# KiCad board nyx.kicad_pcb (continued)
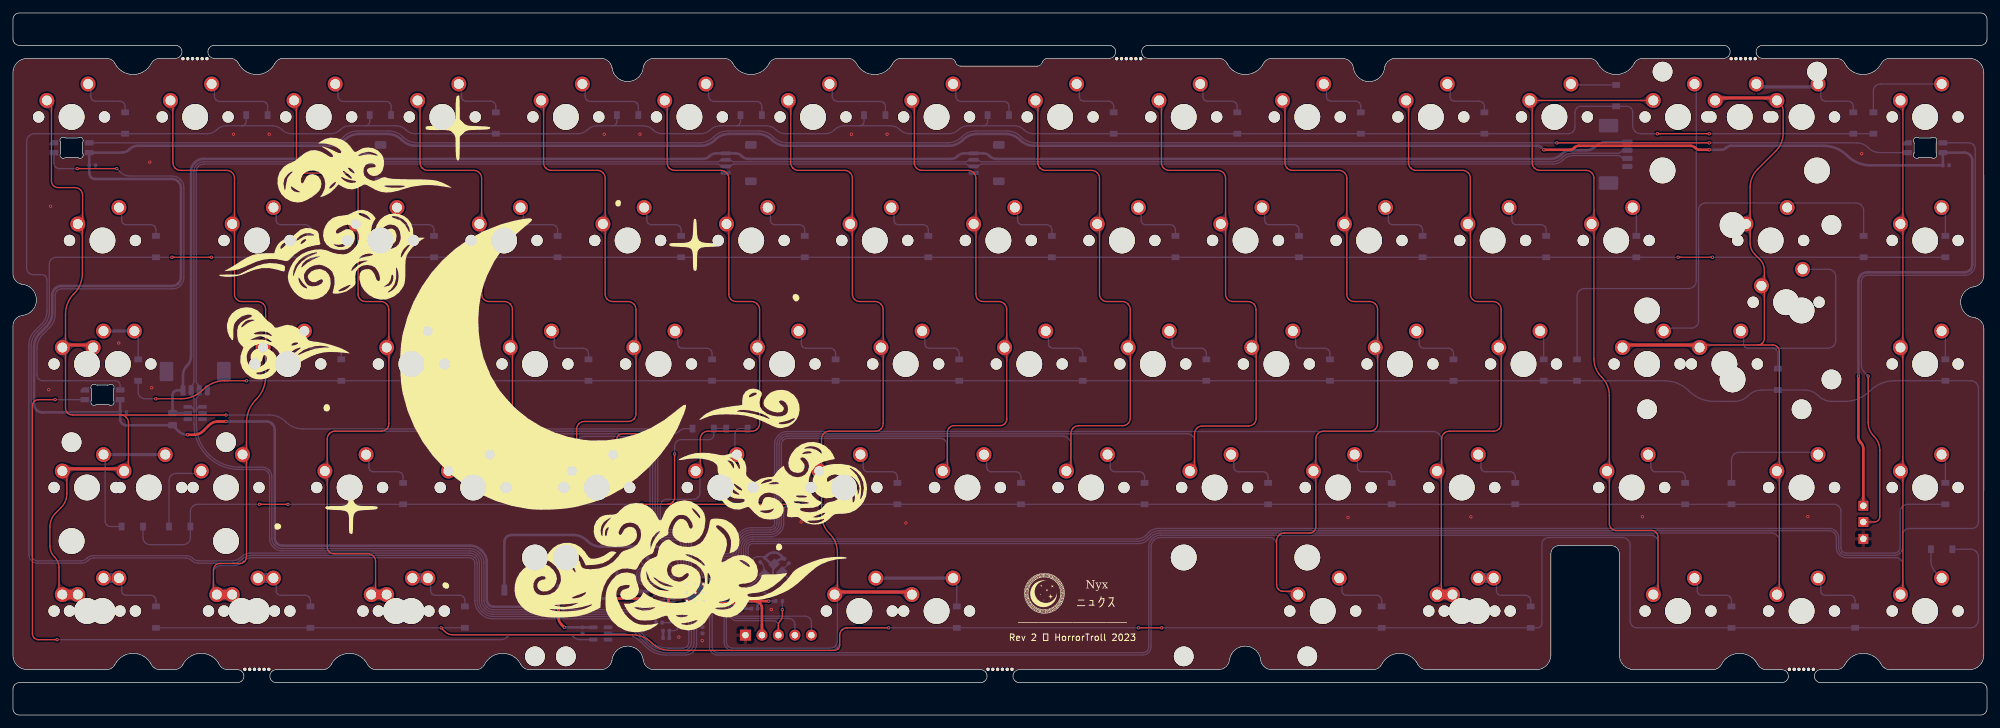
[diagram p0: board, top side]
## Routing (per net, layer and track width the routed paths; a pad name or vN(x,y) marks a point on that pad's centre or on a via; arc(x,y) is an arc through that point) (continued)
Col13: length 292.8
  Top w0.2: MX43.1 260.41,57.07 268.99,57.07 ; 268.99,57.07 271.29,57.07 arc(271.67,57) 271.99,56.78 272.01,56.77 arc(272.22,56.44) 272.3,56.06 272.3,38 MX57.1 272.3,37.25 272.3,18.95 MX66.1 ; 268.99,57.07 arc(269.37,57.15) 269.69,57.37 269.71,57.38 arc(269.92,57.7) 270,58.09 270,65.75 MX71.1 270,66.66 270,68.54 arc(269.81,69.49) 269.27,70.3 268.53,71.04 arc(267.99,71.85) 267.8,72.81 267.8,75.09 MX29.1 267.8,76.37 267.8,81.36 arc(268.1,82.89) 268.97,84.19 271.73,86.95 arc(272.6,88.24) 272.9,89.77 272.9,93.18 arc(272.79,93.76) 272.46,94.24 MX68.1
  Top w0.5: MX68.1 271.53,95.17 262.79,95.17 MX14.1 ; MX69.1 248.51,57.07 259.62,57.07 MX43.1
  Bottom w0.2: MX66.1 272.3,18.95 272.3,26.9 arc(272.21,27.34) 271.96,27.71 271.94,27.74 arc(271.56,27.99) 271.12,28.07 176.82,28.07 arc(176.06,27.92) 175.41,27.49 174.95,27.03 arc(174.3,26.6) 173.54,26.44 114.05,26.44 arc(113.78,26.39) 113.55,26.24 113.53,26.22 arc(113.38,25.99) 113.33,25.73 113.33,23.98 arc(113.21,23.37) 112.86,22.85 112.75,22.74 arc(112.23,22.4) 111.62,22.27 110.96,22.27 arc(110.76,22.24) 110.6,22.13 110.58,22.11 arc(110.47,21.94) 110.43,21.75 110.43,21.32 arc(110.36,20.94) 110.14,20.61 110.11,20.58 arc(109.78,20.36) 109.4,20.28 U3.18
Col14: length 273.4
  Top w0.2: MX15.1 291.35,94.4 291.35,76.1 MX30.1 291.35,75.35 291.35,57.05 MX44.1 291.35,56.3 291.35,38 MX58.1 291.35,37.25 291.35,18.95 MX67.1
  Bottom w0.2: MX67.1 291.35,18.95 291.35,23.17 arc(291.27,23.59) 291.03,23.94 291.02,23.95 arc(290.67,24.19) 290.24,24.27 282.61,24.27 arc(282.06,24.38) 281.59,24.7 281.52,24.76 arc(281.21,25.23) 281.1,25.78 281.1,27.32 arc(281.02,27.74) 280.78,28.09 280.77,28.1 arc(280.41,28.34) 279.99,28.42 176.67,28.42 arc(175.91,28.27) 175.26,27.84 174.8,27.38 arc(174.15,26.95) 173.39,26.79 114.02,26.79 arc(113.64,26.72) 113.32,26.5 113.27,26.45 arc(113.05,26.13) 112.98,25.75 112.98,24 arc(112.88,23.5) 112.6,23.08 112.52,23 arc(112.1,22.72) 111.6,22.62 110.93,22.62 arc(110.63,22.56) 110.37,22.39 110.32,22.34 arc(110.15,22.08) 110.08,21.77 110.08,21.47 arc(110.03,21.18) 109.86,20.94 109.83,20.9 arc(109.59,20.74) 109.3,20.68 U3.17
D+: length 5.6
  Bottom w0.2: R4.1 96.84,16.55 97.01,16.39 arc(97.17,16.28) 97.36,16.25 97.56,16.25 arc(97.94,16.32) 98.27,16.54 98.72,16.99 arc(99.71,17.65) 100.88,17.88 U3.47
D-: length 5.6
  Bottom w0.2: U3.46 100.85,17.48 arc(99.79,17.28) 98.9,16.68 98.5,16.28 arc(98.08,16) 97.58,15.9 97.33,15.9 arc(97.14,15.86) 96.98,15.75 96.84,15.62 R5.1
FLASH_nCS: length 5.6
  Bottom w0.18: U1.1 99.15,23.76 arc(99.18,23.91) 99.27,24.04 99.27,24.05 arc(99.4,24.13) 99.56,24.16 R2.2 100.3,23.68 arc(100.34,23.49) 100.45,23.33 100.45,23.32 arc(100.62,23.21) 100.81,23.17 101.17,23.17 arc(101.38,23.13) 101.56,23.01 101.59,22.99 arc(101.71,22.81) 101.75,22.6 U3.56
FLASH_SCK: length 8.1
  Bottom w0.18: U1.6 97.26,22.37 arc(96.97,22.32) 96.73,22.15 96.7,22.12 arc(96.53,21.87) 96.48,21.59 96.48,21.22 arc(96.53,20.94) 96.7,20.69 96.75,20.64 arc(96.99,20.48) 97.28,20.42 99.19,20.42 arc(99.48,20.37) 99.72,20.2 99.82,20.1 arc(100.06,19.94) 100.35,19.88 U3.52
FLASH_SD0: length 6.9
  Bottom w0.18: U3.53 100.5,20.28 arc(100.21,20.34) 99.97,20.5 99.94,20.53 arc(99.7,20.7) 99.41,20.75 97.29,20.75 arc(97.12,20.79) 96.97,20.88 96.95,20.91 arc(96.85,21.05) 96.82,21.23 96.82,21.5 arc(96.85,21.67) 96.95,21.82 96.97,21.84 arc(97.11,21.94) 97.29,21.97 U1.5
FLASH_SD1: length 3.7
  Bottom w0.18: U3.55 101.03,21.08 arc(100.86,21.12) 100.72,21.22 100.71,21.22 arc(100.61,21.37) 100.58,21.54 100.58,21.96 arc(100.52,22.27) 100.35,22.53 100.33,22.54 arc(100.07,22.71) 99.77,22.77 U1.2
FLASH_SD2: length 3.7
  Bottom w0.18: U1.3 99.67,22.37 arc(99.88,22.33) 100.06,22.21 100.09,22.18 arc(100.21,22) 100.25,21.79 100.25,21.41 arc(100.3,21.14) 100.46,20.92 100.48,20.89 arc(100.71,20.74) 100.98,20.68 U3.54
FLASH_SD3: length 9.2
  Bottom w0.18: U3.51 100.2,19.48 arc(99.91,19.54) 99.67,19.7 99.5,19.87 arc(99.26,20.04) 98.97,20.09 97.26,20.09 arc(96.86,20.17) 96.52,20.4 96.45,20.47 arc(96.23,20.81) 96.15,21.21 96.15,21.68 arc(96.23,22.09) 96.45,22.43 96.49,22.46 arc(96.83,22.69) 97.23,22.77 U1.7
Row0: length 493.3
  Top w0.2: v1(261.5,89.65) v1(253.5,89.65)
  Bottom w0.2: 35.28,90.87 40.03,90.87 arc(40.81,90.72) 41.48,90.27 41.5,90.25 arc(42.17,89.81) 42.95,89.65 49,89.65 arc(49.78,89.81) 50.45,90.25 50.47,90.27 arc(51.14,90.72) 51.92,90.87 54.33,90.87 ; 35.28,90.87 32.87,90.87 arc(32.09,90.72) 31.42,90.27 31.4,90.25 arc(30.73,89.81) 29.95,89.65 D1.1 3.32,89.65 arc(2.87,89.56) 2.48,89.3 2.45,89.27 arc(2.19,88.88) 2.1,88.43 2.1,68.94 arc(2.18,68.55) 2.39,68.23 2.41,68.22 arc(2.73,68) 3.11,67.92 4.42,67.92 arc(4.72,67.86) 4.98,67.69 5.02,67.66 arc(5.19,67.4) 5.25,67.09 5.25,62.37 arc(5.02,61.22) 4.37,60.24 3.33,59.2 arc(2.68,58.23) 2.45,57.08 2.45,24.77 arc(2.55,24.27) 2.83,23.85 2.87,23.8 arc(3.3,23.52) 3.79,23.42 10.59,23.42 arc(11.1,23.53) 11.54,23.82 11.55,23.83 arc(11.99,24.12) 12.5,24.22 26.6,24.22 arc(27.11,24.12) 27.55,23.83 27.56,23.82 arc(28,23.53) 28.51,23.42 33.92,23.42 arc(34.68,23.58) 35.33,24.01 35.36,24.04 arc(36.01,24.47) 36.77,24.62 70.37,24.62 arc(70.81,24.54) 71.18,24.29 71.21,24.26 arc(71.46,23.89) 71.55,23.45 71.55,17.64 arc(71.72,16.77) 72.21,16.04 72.39,15.86 arc(73.12,15.37) 73.99,15.2 92.03,15.2 arc(93.73,14.86) 95.17,13.89 97.8,11.27 arc(99.25,10.3) 100.95,9.96 103.35,9.96 arc(103.81,10.05) 104.2,10.31 104.23,10.35 arc(104.49,10.73) 104.58,11.19 U3.37 ; 35.28,90.87 arc(35.53,90.92) 35.74,91.06 35.76,91.08 arc(35.9,91.29) 35.95,91.54 D2.1 ; v1(253.5,89.65) 250.92,89.65 arc(250.46,89.74) 250.07,90 250.05,90.02 arc(249.79,90.41) 249.7,90.87 249.7,92.95 arc(249.63,93.29) 249.44,93.59 249.41,93.61 arc(249.12,93.8) 248.78,93.87 D13.1 241.72,93.87 arc(241.38,93.8) 241.09,93.61 241.06,93.59 arc(240.87,93.29) 240.8,92.95 240.8,90.71 arc(240.72,90.31) 240.49,89.96 240.49,89.96 arc(240.14,89.73) 239.74,89.65 D12.1 D11.1 D10.1 D9.1 157.3,89.65 arc(156.52,89.81) 155.85,90.25 155.83,90.27 arc(155.16,90.72) 154.38,90.87 149.58,90.87 ; 130.53,90.87 135.28,90.87 arc(136.06,90.72) 136.73,90.27 136.75,90.25 arc(137.42,89.81) 138.2,89.65 144.3,89.65 arc(145.08,89.81) 145.75,90.25 145.77,90.27 arc(146.44,90.72) 147.22,90.87 149.58,90.87 ; 130.53,90.87 128.12,90.87 arc(127.34,90.72) 126.67,90.27 126.65,90.25 arc(125.98,89.81) 125.2,89.65 119.08,89.65 arc(118.29,89.81) 117.63,90.25 117.6,90.27 arc(116.94,90.72) 116.15,90.87 111.48,90.87 ; 130.53,90.87 arc(130.78,90.92) 130.99,91.06 131.01,91.08 arc(131.15,91.29) 131.2,91.54 D7.1 ; 149.58,90.87 arc(149.83,90.92) 150.04,91.06 150.06,91.08 arc(150.2,91.29) 150.25,91.54 D8.1 ; 111.48,90.87 109,90.87 arc(108.21,90.72) 107.55,90.27 107.52,90.25 arc(106.86,89.81) 106.08,89.65 100.1,89.65 arc(99.32,89.81) 98.65,90.25 98.63,90.27 arc(97.96,90.72) 97.18,90.87 92.43,90.87 ; 111.48,90.87 arc(111.73,90.92) 111.94,91.06 111.96,91.08 arc(112.1,91.29) 112.15,91.54 D6.1 ; D5.1 93.1,91.54 arc(93.05,91.29) 92.91,91.08 92.89,91.06 arc(92.68,90.92) 92.43,90.87 ; v1(261.5,89.65) D14.1 D15.1 ; 54.33,90.87 59.08,90.87 arc(59.86,90.72) 60.53,90.27 60.55,90.25 arc(61.22,89.81) 62,89.65 D4.1 87.1,89.65 arc(87.88,89.81) 88.55,90.25 88.57,90.27 arc(89.24,90.72) 90.02,90.87 92.43,90.87 ; 54.33,90.87 arc(54.58,90.92) 54.79,91.06 54.81,91.08 arc(54.95,91.29) 55,91.54 D3.1
Row1: length 455.6
  Top w0.2: v1(30.6,70.6) v1(24.5,70.6) ; v1(262,70.6) v1(256.7,70.6)
  Bottom w0.2: v1(30.6,70.6) D17.1 D18.1 D19.1 D20.1 D21.1 D22.1 D23.1 D24.1 D25.1 D26.1 D27.1 D28.1 v1(256.7,70.6) ; D30.1 D29.1 v1(262,70.6) ; U3.38 104.18,11.22 arc(104.12,10.88) 103.92,10.58 103.91,10.58 arc(103.62,10.38) 103.28,10.31 101.1,10.31 arc(99.4,10.65) 97.95,11.62 95.32,14.24 arc(93.88,15.21) 92.18,15.55 74.01,15.55 arc(73.26,15.7) 72.63,16.12 72.47,16.28 arc(72.05,16.91) 71.9,17.66 71.9,23.47 arc(71.79,24.03) 71.47,24.5 71.42,24.55 arc(70.95,24.86) 70.4,24.97 36.63,24.97 arc(35.86,24.82) 35.21,24.39 35.19,24.36 arc(34.54,23.92) 33.77,23.77 28.66,23.77 arc(28.14,23.88) 27.7,24.17 27.7,24.18 arc(27.26,24.47) 26.74,24.57 12.36,24.57 arc(11.84,24.47) 11.4,24.18 11.4,24.17 arc(10.96,23.88) 10.44,23.77 3.81,23.77 arc(3.43,23.85) 3.11,24.07 3.09,24.08 arc(2.88,24.4) 2.8,24.79 2.8,56.94 arc(3.03,58.08) 3.68,59.06 4.72,60.1 arc(5.37,61.07) 5.6,62.22 5.6,69.54 arc(5.68,69.94) 5.91,70.28 5.92,70.29 arc(6.26,70.52) 6.66,70.6 D16.1 v1(24.5,70.6)
Row2: length 516.6
  Top w0.2: v1(22,48.77) 25.95,48.77 arc(27.75,49.13) 29.28,50.15 29.3,50.17 arc(30.83,51.19) 32.62,51.55 v1(36,51.55)
  Bottom w0.2: U3.16 109.3,21.08 arc(109.46,21.12) 109.59,21.2 109.62,21.23 arc(109.7,21.36) 109.73,21.52 109.73,21.79 arc(109.82,22.21) 110.06,22.57 110.14,22.65 arc(110.49,22.89) 110.91,22.97 111.58,22.97 arc(111.96,23.05) 112.29,23.27 112.34,23.31 arc(112.55,23.64) 112.63,24.02 112.63,25.77 arc(112.73,26.27) 113.01,26.69 113.08,26.76 arc(113.51,27.04) 114,27.14 173.24,27.14 arc(174.01,27.3) 174.66,27.73 175.11,28.19 arc(175.76,28.62) 176.53,28.77 280.01,28.77 arc(280.55,28.67) 281,28.36 281.04,28.33 arc(281.34,27.87) 281.45,27.34 281.45,25.8 arc(281.54,25.36) 281.79,24.99 281.82,24.96 arc(282.19,24.71) 282.63,24.62 290.05,24.62 arc(290.51,24.71) 290.9,24.97 290.95,25.03 arc(291.21,25.42) 291.3,25.88 291.3,27.76 arc(291.38,28.14) 291.59,28.47 291.61,28.48 arc(291.93,28.7) 292.31,28.77 301.99,28.77 arc(302.37,28.85) 302.69,29.07 302.71,29.08 arc(302.92,29.4) 303,29.79 303,50.42 arc(302.92,50.84) 302.68,51.19 302.64,51.23 arc(302.29,51.47) 301.87,51.55 D44.1 290.06,51.55 arc(287.99,51.14) 286.24,49.97 286.23,49.95 arc(284.47,48.78) 282.41,48.37 280.39,48.37 arc(279.26,48.6) 278.31,49.24 278.29,49.26 arc(277.33,49.9) 276.2,50.12 D43.1 269.59,50.12 arc(268.46,49.9) 267.51,49.26 267.49,49.24 arc(266.53,48.6) 265.4,48.37 262.24,48.37 arc(260.17,48.78) 258.42,49.95 258.4,49.97 arc(256.65,51.14) 254.59,51.55 D68.1 D42.1 D41.1 D40.1 D39.1 D38.1 D37.1 D36.1 D35.1 D34.1 D33.1 D32.1 v1(36,51.55) ; D31.1 19.3,49.79 arc(19.38,49.4) 19.59,49.08 19.61,49.07 arc(19.93,48.85) 20.31,48.77 v1(22,48.77)
Row3: length 339
  Top w0.2: v1(38,32.5) v1(42.4,32.5) ; v1(102,40.27) 102,33.56 arc(101.92,33.16) 101.69,32.81 101.69,32.81 arc(101.34,32.58) 100.94,32.5 ; v1(96.98,32.5) 100.94,32.5 ; 100.94,32.5 v1(121.1,32.5)
  Bottom w0.2: U3.15 108.62,22.6 arc(108.68,22.87) 108.83,23.1 108.85,23.12 arc(109.07,23.27) 109.34,23.32 111.56,23.32 arc(111.83,23.38) 112.06,23.53 112.07,23.55 arc(112.23,23.77) 112.28,24.04 112.28,25.79 arc(112.4,26.4) 112.75,26.92 112.85,27.02 arc(113.37,27.37) 113.98,27.49 116.81,27.49 arc(117.52,27.63) 118.12,28.04 118.27,28.19 arc(118.67,28.79) 118.81,29.49 118.81,31.47 arc(118.89,31.85) 119.11,32.18 119.13,32.21 arc(119.46,32.42) 119.84,32.5 v1(121.1,32.5) D50.1 D51.1 D52.1 D53.1 D54.1 D55.1 D56.1 D57.1 280.74,32.5 arc(281.14,32.42) 281.48,32.19 281.49,32.18 arc(281.72,31.84) 281.8,31.44 281.8,25.83 arc(281.86,25.5) 282.05,25.22 282.05,25.22 arc(282.33,25.04) 282.65,24.97 290.03,24.97 arc(290.37,25.04) 290.66,25.23 290.69,25.26 arc(290.88,25.55) 290.95,25.9 290.95,31.35 arc(291.04,31.79) 291.29,32.16 291.29,32.16 arc(291.66,32.41) 292.1,32.5 D58.1 ; v1(38,32.5) 28.5,32.5 arc(28.06,32.41) 27.69,32.16 27.69,32.16 arc(27.44,31.79) 27.35,31.35 D69.1 27.35,27.38 arc(27.27,26.96) 27.03,26.6 27.02,26.59 arc(26.67,26.36) 26.24,26.27 21.16,26.27 arc(20.73,26.36) 20.38,26.59 20.37,26.6 arc(20.13,26.96) 20.05,27.38 D45.1 ; D49.1 D48.1 108.05,43.23 arc(107.99,42.95) 107.83,42.7 107.82,42.69 arc(107.58,42.53) 107.29,42.47 103.01,42.47 arc(102.63,42.4) 102.31,42.18 102.29,42.17 arc(102.08,41.84) 102,41.46 v1(102,40.27) ; v1(96.98,32.5) D47.1 D46.1 v1(42.4,32.5)
Row4: length 363.8
  Top w0.2: v1(173.5,13.45) v1(177.1,13.45) ; v1(135,13.45) 128.6,13.45 arc(128.16,13.36) 127.79,13.11 127.79,13.11 arc(127.54,12.74) 127.45,12.3 127.45,10.82 arc(127.39,10.49) 127.2,10.22 127.2,10.22 arc(126.92,10.03) 126.6,9.97 101.3,9.97 arc(99.73,10.28) 98.4,11.17 98.4,11.17 arc(97.07,12.06) 95.5,12.37 67.8,12.37 arc(67.13,12.51) 66.57,12.88 v1(66,13.45)
  Bottom w0.2: D61.1 v1(66,13.45) D60.1 D59.1 ; 298.98,25.57 301.82,25.57 arc(302.26,25.48) 302.64,25.24 302.66,25.21 arc(302.91,24.84) 303,24.4 303,14.67 arc(302.91,14.22) 302.65,13.83 302.62,13.8 arc(302.23,13.54) 301.78,13.45 D66.1 D65.1 250.36,13.45 arc(249.96,13.53) 249.61,13.76 249.61,13.76 arc(249.38,14.11) 249.3,14.51 249.3,26.2 arc(249.21,26.64) 248.96,27.01 248.94,27.04 arc(248.56,27.28) 248.12,27.37 236.71,27.37 arc(236.33,27.3) 236.01,27.08 235.99,27.07 arc(235.78,26.74) 235.7,26.36 235.7,14.16 arc(235.65,13.89) 235.49,13.67 235.48,13.66 arc(235.26,13.5) 234.99,13.45 D64.1 D63.1 v1(177.1,13.45) ; U3.28 109.09,16.28 arc(109.28,16.25) 109.45,16.13 arc(109.59,15.93) 109.63,15.69 109.63,11.25 arc(109.73,10.77) 110,10.36 110.04,10.32 arc(110.44,10.05) 110.92,9.96 126,9.96 arc(126.53,10.06) 126.99,10.37 127.04,10.42 arc(127.34,10.87) 127.45,11.41 127.45,12.39 arc(127.53,12.79) 127.76,13.13 127.77,13.14 arc(128.11,13.37) 128.51,13.45 v1(135,13.45) D62.1 v1(173.5,13.45)
SWCLK: length 18.9
  Bottom w0.2: J2.5 123.08,14.3 arc(123.01,14.66) 122.8,14.97 122.8,14.97 arc(122.49,15.18) 122.13,15.25 111.7,15.25 arc(111.46,15.3) 111.24,15.44 111.23,15.46 arc(111.08,15.67) 111.03,15.92 111.03,16.82 arc(110.95,17.22) 110.73,17.56 110.71,17.58 arc(110.37,17.81) 109.96,17.88 U3.24
SWDIO: length 15.9
  Bottom w0.2: U3.25 109.91,17.48 arc(110.23,17.42) 110.5,17.24 arc(110.64,17.03) 110.69,16.79 110.69,15.9 arc(110.76,15.54) 110.96,15.23 111.01,15.18 arc(111.32,14.97) 111.68,14.9 119.58,14.9 arc(119.95,14.83) 120.26,14.62 120.26,14.62 arc(120.47,14.31) 120.54,13.95 J2.4
UG_LED: length 82.5
  Top w0.2: J7.2 286.95,29.77 arc(287.27,29.84) 287.55,30.02 287.55,30.02 arc(287.74,30.3) 287.8,30.62 287.8,40.81 arc(287.57,41.98) 286.91,42.97 286.89,42.98 arc(286.23,43.97) 286,45.14 v1(286,52.27)
  Bottom w0.2: LED3.2 301.54,88.24 arc(301.9,88.17) 302.21,87.96 302.22,87.95 arc(302.43,87.64) 302.5,87.28 302.5,69.39 arc(302.39,68.83) 302.08,68.36 301.96,68.25 arc(301.49,67.93) 300.94,67.82 285.87,67.82 arc(285.53,67.75) 285.24,67.56 285.21,67.54 arc(285.02,67.24) 284.95,66.9 284.95,53.94 arc(285.06,53.37) 285.39,52.88 v1(286,52.27)
XTAL1: length 9.8
  Bottom w0.2: Y1.3 115.77,22.61 arc(115.7,22.99) 115.48,23.32 C1.1 ; 115.55,21.7 114.52,20.66 arc(113.22,19.79) 111.69,19.48 U3.20
XTAL2: length 11
  Bottom w0.2: U3.21 115.4,19.08 arc(115.67,19.03) 115.89,18.88 115.89,18.88 arc(116.12,18.73) 116.39,18.67 117.18,18.67 arc(117.56,18.75) 117.89,18.97 R1.1
~{NRST}: length 18.4
  Top w0.2: J2.3 118,13.83 arc(118.08,14.22) 118.29,14.54 118.32,14.57 arc(118.53,14.89) 118.61,15.27 v1(118.61,16.27)
  Bottom w0.2: U3.26 109.68,17.08 arc(109.93,17.03) 110.15,16.89 arc(110.29,16.68) 110.34,16.44 110.34,15.85 arc(110.43,15.38) 110.7,14.97 110.76,14.92 arc(111.16,14.65) 111.64,14.55 117.2,14.55 arc(117.5,14.49) 117.76,14.32 117.77,14.31 arc(117.94,14.05) 118,13.75 J2.3 ; R3.2 v1(118.61,16.27)
Net-(C13-Pad1): length 3.5
  Bottom w0.2: C13.1 118.53,22.32 Y1.1 119.73,20.85 R1.2
Net-(D1-A): length 9.2
  Bottom w0.2: D1.2 17.28,93.86 arc(17.22,94.16) 17.05,94.42 17.03,94.44 arc(16.77,94.61) 16.47,94.67 12.67,94.67 arc(12.42,94.72) 12.21,94.86 12.19,94.88 arc(12.05,95.09) 12,95.34 12,96.89 MX1.2
Net-(D2-A): length 12.5
  Bottom w0.2: D2.2 39.25,93.86 arc(39.19,94.14) 39.03,94.39 39.02,94.4 arc(38.77,94.56) 38.49,94.62 31.9,94.62 arc(31.58,94.68) 31.3,94.87 31.3,94.87 arc(31.11,95.15) 31.05,95.47 31.05,96.89 MX2.2
Net-(D3-A): length 12.5
  Bottom w0.2: D3.2 58.3,93.86 arc(58.24,94.14) 58.08,94.39 58.07,94.4 arc(57.82,94.56) 57.54,94.62 50.95,94.62 arc(50.63,94.68) 50.35,94.87 50.35,94.87 arc(50.16,95.15) 50.1,95.47 50.1,96.89 MX3.2
Net-(D4-A): length 9.2
  Bottom w0.2: MX4.2 69.15,96.89 69.15,95.34 arc(69.2,95.09) 69.34,94.88 69.36,94.86 arc(69.57,94.72) 69.82,94.67 73.62,94.67 arc(73.92,94.61) 74.18,94.44 74.2,94.42 arc(74.37,94.16) 74.43,93.86 D4.2
Net-(D5-A): length 12.5
  Bottom w0.2: D5.2 96.4,93.86 arc(96.34,94.14) 96.18,94.39 96.17,94.4 arc(95.92,94.56) 95.64,94.62 89.05,94.62 arc(88.73,94.68) 88.45,94.87 88.45,94.87 arc(88.26,95.15) 88.2,95.47 88.2,96.89 MX5.2
Net-(D6-A): length 12.5
  Bottom w0.2: MX6.2 107.25,96.89 107.25,95.47 arc(107.31,95.15) 107.5,94.87 107.5,94.87 arc(107.78,94.68) 108.1,94.62 114.69,94.62 arc(114.97,94.56) 115.22,94.4 115.23,94.39 arc(115.39,94.14) 115.45,93.86 D6.2
Net-(D7-A): length 12.5
  Bottom w0.2: MX7.2 126.3,96.89 126.3,95.47 arc(126.36,95.15) 126.55,94.87 126.55,94.87 arc(126.83,94.68) 127.15,94.62 133.74,94.62 arc(134.02,94.56) 134.27,94.4 134.28,94.39 arc(134.44,94.14) 134.5,93.86 D7.2
Net-(D8-A): length 12.5
  Bottom w0.2: MX8.2 145.35,96.89 145.35,95.47 arc(145.41,95.15) 145.6,94.87 145.6,94.87 arc(145.88,94.68) 146.2,94.62 152.79,94.62 arc(153.07,94.56) 153.32,94.4 153.33,94.39 arc(153.49,94.14) 153.55,93.86 D8.2
Net-(D9-A): length 9.2
  Bottom w0.2: D9.2 169.68,93.86 arc(169.62,94.16) 169.45,94.42 169.43,94.44 arc(169.17,94.61) 168.87,94.67 165.07,94.67 arc(164.82,94.72) 164.61,94.86 164.59,94.88 arc(164.45,95.09) 164.4,95.34 164.4,96.89 MX9.2
Net-(D10-A): length 9.2
  Bottom w0.2: MX10.2 183.45,96.89 183.45,95.34 arc(183.5,95.09) 183.64,94.88 183.66,94.86 arc(183.87,94.72) 184.12,94.67 187.92,94.67 arc(188.22,94.61) 188.48,94.44 188.5,94.42 arc(188.67,94.16) 188.73,93.86 D10.2
Net-(D11-A): length 9.2
  Bottom w0.2: D11.2 207.78,93.86 arc(207.72,94.16) 207.55,94.42 207.53,94.44 arc(207.27,94.61) 206.97,94.67 203.17,94.67 arc(202.92,94.72) 202.71,94.86 202.69,94.88 arc(202.55,95.09) 202.5,95.34 202.5,96.89 MX11.2
Net-(D12-A): length 9.2
  Bottom w0.2: MX12.2 221.55,96.89 221.55,95.34 arc(221.6,95.09) 221.74,94.88 221.76,94.86 arc(221.97,94.72) 222.22,94.67 226.02,94.67 arc(226.32,94.61) 226.58,94.44 226.6,94.42 arc(226.77,94.16) 226.83,93.86 D12.2
Net-(D13-A): length 7
  Bottom w0.2: D13.2 240.32,97.17 MX13.2
Net-(D14-A): length 18.8
  Bottom w0.2: MX68.2 278.7,96.89 278.7,95.34 arc(278.75,95.09) 278.89,94.88 278.91,94.86 arc(279.12,94.72) 279.37,94.67 282.89,94.67 arc(283.19,94.61) 283.45,94.44 283.47,94.42 arc(283.64,94.16) 283.7,93.86 D14.2
  Bottom w0.5: MX68.2 277.83,96.87 269.2,96.87 MX14.2
Net-(D15-A): length 14.4
  Bottom w0.2: D15.2 286.8,96.22 arc(286.88,96.64) 287.12,96.99 arc(287.48,97.23) 287.9,97.32 MX15.2
Net-(D16-A): length 9.2
  Bottom w0.2: MX16.2 16.76,77.84 16.76,76.29 arc(16.81,76.04) 16.95,75.83 16.97,75.81 arc(17.18,75.67) 17.43,75.62 21.23,75.62 arc(21.54,75.56) 21.8,75.39 21.81,75.37 arc(21.98,75.11) 22.04,74.81 D16.2
Net-(D17-A): length 9.2
  Bottom w0.2: D17.2 45.86,74.81 arc(45.8,75.11) 45.62,75.37 45.61,75.39 arc(45.35,75.56) 45.04,75.62 41.24,75.62 arc(41,75.67) 40.78,75.81 40.77,75.83 arc(40.62,76.04) 40.58,76.29 40.58,77.84 MX17.2
Net-(D18-A): length 9.2
  Bottom w0.2: D18.2 64.91,74.81 arc(64.85,75.11) 64.67,75.37 64.66,75.39 arc(64.4,75.56) 64.09,75.62 60.29,75.62 arc(60.05,75.67) 59.83,75.81 59.82,75.83 arc(59.67,76.04) 59.63,76.29 59.63,77.84 MX18.2
Net-(D19-A): length 9.2
  Bottom w0.2: MX19.2 78.68,77.84 78.68,76.29 arc(78.72,76.04) 78.87,75.83 78.88,75.81 arc(79.1,75.67) 79.34,75.62 83.14,75.62 arc(83.45,75.56) 83.71,75.39 83.72,75.37 arc(83.9,75.11) 83.96,74.81 D19.2
Net-(D20-A): length 9.2
  Bottom w0.2: MX20.2 97.73,77.84 97.73,76.29 arc(97.77,76.04) 97.92,75.83 97.93,75.81 arc(98.15,75.67) 98.39,75.62 102.19,75.62 arc(102.5,75.56) 102.76,75.39 102.77,75.37 arc(102.95,75.11) 103.01,74.81 D20.2
Net-(D21-A): length 9.2
  Bottom w0.2: D21.2 122.06,74.81 arc(122,75.11) 121.82,75.37 121.81,75.39 arc(121.55,75.56) 121.24,75.62 117.44,75.62 arc(117.2,75.67) 116.98,75.81 116.97,75.83 arc(116.82,76.04) 116.78,76.29 116.78,77.84 MX21.2
Net-(D22-A): length 9.2
  Bottom w0.2: MX22.2 135.83,77.84 135.83,76.29 arc(135.87,76.04) 136.02,75.83 136.03,75.81 arc(136.25,75.67) 136.49,75.62 140.29,75.62 arc(140.6,75.56) 140.86,75.39 140.87,75.37 arc(141.05,75.11) 141.11,74.81 D22.2
Net-(D23-A): length 9.2
  Bottom w0.2: MX23.2 154.88,77.84 154.88,76.29 arc(154.92,76.04) 155.07,75.83 155.08,75.81 arc(155.3,75.67) 155.54,75.62 159.34,75.62 arc(159.65,75.56) 159.91,75.39 159.92,75.37 arc(160.1,75.11) 160.16,74.81 D23.2
Net-(D24-A): length 9.2
  Bottom w0.2: MX24.2 173.93,77.84 173.93,76.29 arc(173.97,76.04) 174.12,75.83 174.13,75.81 arc(174.35,75.67) 174.59,75.62 178.39,75.62 arc(178.7,75.56) 178.96,75.39 178.97,75.37 arc(179.15,75.11) 179.21,74.81 D24.2
Net-(D25-A): length 9.2
  Bottom w0.2: MX25.2 192.98,77.84 192.98,76.29 arc(193.02,76.04) 193.17,75.83 193.18,75.81 arc(193.4,75.67) 193.64,75.62 197.44,75.62 arc(197.75,75.56) 198.01,75.39 198.02,75.37 arc(198.2,75.11) 198.26,74.81 D25.2
Net-(D26-A): length 9.2
  Bottom w0.2: MX26.2 212.03,77.84 212.03,76.29 arc(212.07,76.04) 212.22,75.83 212.23,75.81 arc(212.45,75.67) 212.69,75.62 216.49,75.62 arc(216.8,75.56) 217.06,75.39 217.07,75.37 arc(217.25,75.11) 217.31,74.81 D26.2
Net-(D27-A): length 9.2
  Bottom w0.2: MX27.2 231.08,77.84 231.08,76.29 arc(231.12,76.04) 231.27,75.83 231.28,75.81 arc(231.5,75.67) 231.74,75.62 235.54,75.62 arc(235.85,75.56) 236.11,75.39 236.12,75.37 arc(236.3,75.11) 236.36,74.81 D27.2
Net-(D28-A): length 4.6
  Bottom w0.2: D28.2 250.26,77.71 MX28.2
Net-(D29-A): length 54.5
  Bottom w0.2: MX69.2 254.92,59.67 258.74,59.67 arc(259.16,59.76) 259.52,59.99 259.53,60 arc(259.77,60.36) 259.85,60.78 259.85,77.87 arc(259.93,78.29) 260.17,78.64 260.18,78.65 arc(260.53,78.89) 260.96,78.97 272.81,78.97 MX29.2 274.22,78.97 284.12,78.97 arc(284.56,78.88) 284.94,78.64 284.96,78.61 arc(285.21,78.24) 285.3,77.8 D29.2
Net-(D30-A): length 4.6
  Bottom w0.2: D30.2 297.9,77.69 MX30.2
Net-(D31-A): length 9.4
  Bottom w0.2: D31.2 19.3,58.64 MX31.2
  Bottom w0.5: MX31.2 MX78.2
Net-(D32-A): length 9.2
  Bottom w0.2: MX32.2 45.34,58.79 45.34,57.24 arc(45.39,56.99) 45.53,56.78 45.55,56.76 arc(45.76,56.62) 46.01,56.57 49.81,56.57 arc(50.11,56.51) 50.37,56.34 50.39,56.32 arc(50.56,56.06) 50.62,55.76 D32.2
Net-(D33-A): length 9.2
  Bottom w0.2: MX33.2 64.39,58.79 64.39,57.24 arc(64.44,56.99) 64.58,56.78 64.6,56.76 arc(64.81,56.62) 65.06,56.57 68.86,56.57 arc(69.16,56.51) 69.42,56.34 69.44,56.32 arc(69.61,56.06) 69.67,55.76 D33.2
Net-(D34-A): length 9.2
  Bottom w0.2: MX34.2 83.44,58.79 83.44,57.24 arc(83.49,56.99) 83.63,56.78 83.65,56.76 arc(83.86,56.62) 84.11,56.57 87.91,56.57 arc(88.21,56.51) 88.47,56.34 88.49,56.32 arc(88.66,56.06) 88.72,55.76 D34.2
Net-(D35-A): length 9.2
  Bottom w0.2: MX35.2 102.49,58.79 102.49,57.24 arc(102.54,56.99) 102.68,56.78 102.7,56.76 arc(102.91,56.62) 103.16,56.57 106.96,56.57 arc(107.26,56.51) 107.52,56.34 107.54,56.32 arc(107.71,56.06) 107.77,55.76 D35.2
Net-(D36-A): length 9.2
  Bottom w0.2: D36.2 126.82,55.76 arc(126.76,56.06) 126.59,56.32 126.57,56.34 arc(126.31,56.51) 126.01,56.57 122.21,56.57 arc(121.96,56.62) 121.75,56.76 121.73,56.78 arc(121.59,56.99) 121.54,57.24 121.54,58.79 MX36.2
Net-(D37-A): length 9.2
  Bottom w0.2: D37.2 145.87,55.76 arc(145.81,56.06) 145.64,56.32 145.62,56.34 arc(145.36,56.51) 145.06,56.57 141.26,56.57 arc(141.01,56.62) 140.8,56.76 140.78,56.78 arc(140.64,56.99) 140.59,57.24 140.59,58.79 MX37.2
Net-(D38-A): length 9.2
  Bottom w0.2: D38.2 164.92,55.76 arc(164.86,56.06) 164.69,56.32 164.67,56.34 arc(164.41,56.51) 164.11,56.57 160.31,56.57 arc(160.06,56.62) 159.85,56.76 159.83,56.78 arc(159.69,56.99) 159.64,57.24 159.64,58.79 MX38.2
Net-(D39-A): length 9.2
  Bottom w0.2: D39.2 183.97,55.76 arc(183.91,56.06) 183.74,56.32 183.72,56.34 arc(183.46,56.51) 183.16,56.57 179.36,56.57 arc(179.11,56.62) 178.9,56.76 178.88,56.78 arc(178.74,56.99) 178.69,57.24 178.69,58.79 MX39.2